# Altium PCB Wireless_Security_Board.PcbDoc (part 1 of 2) (continued)
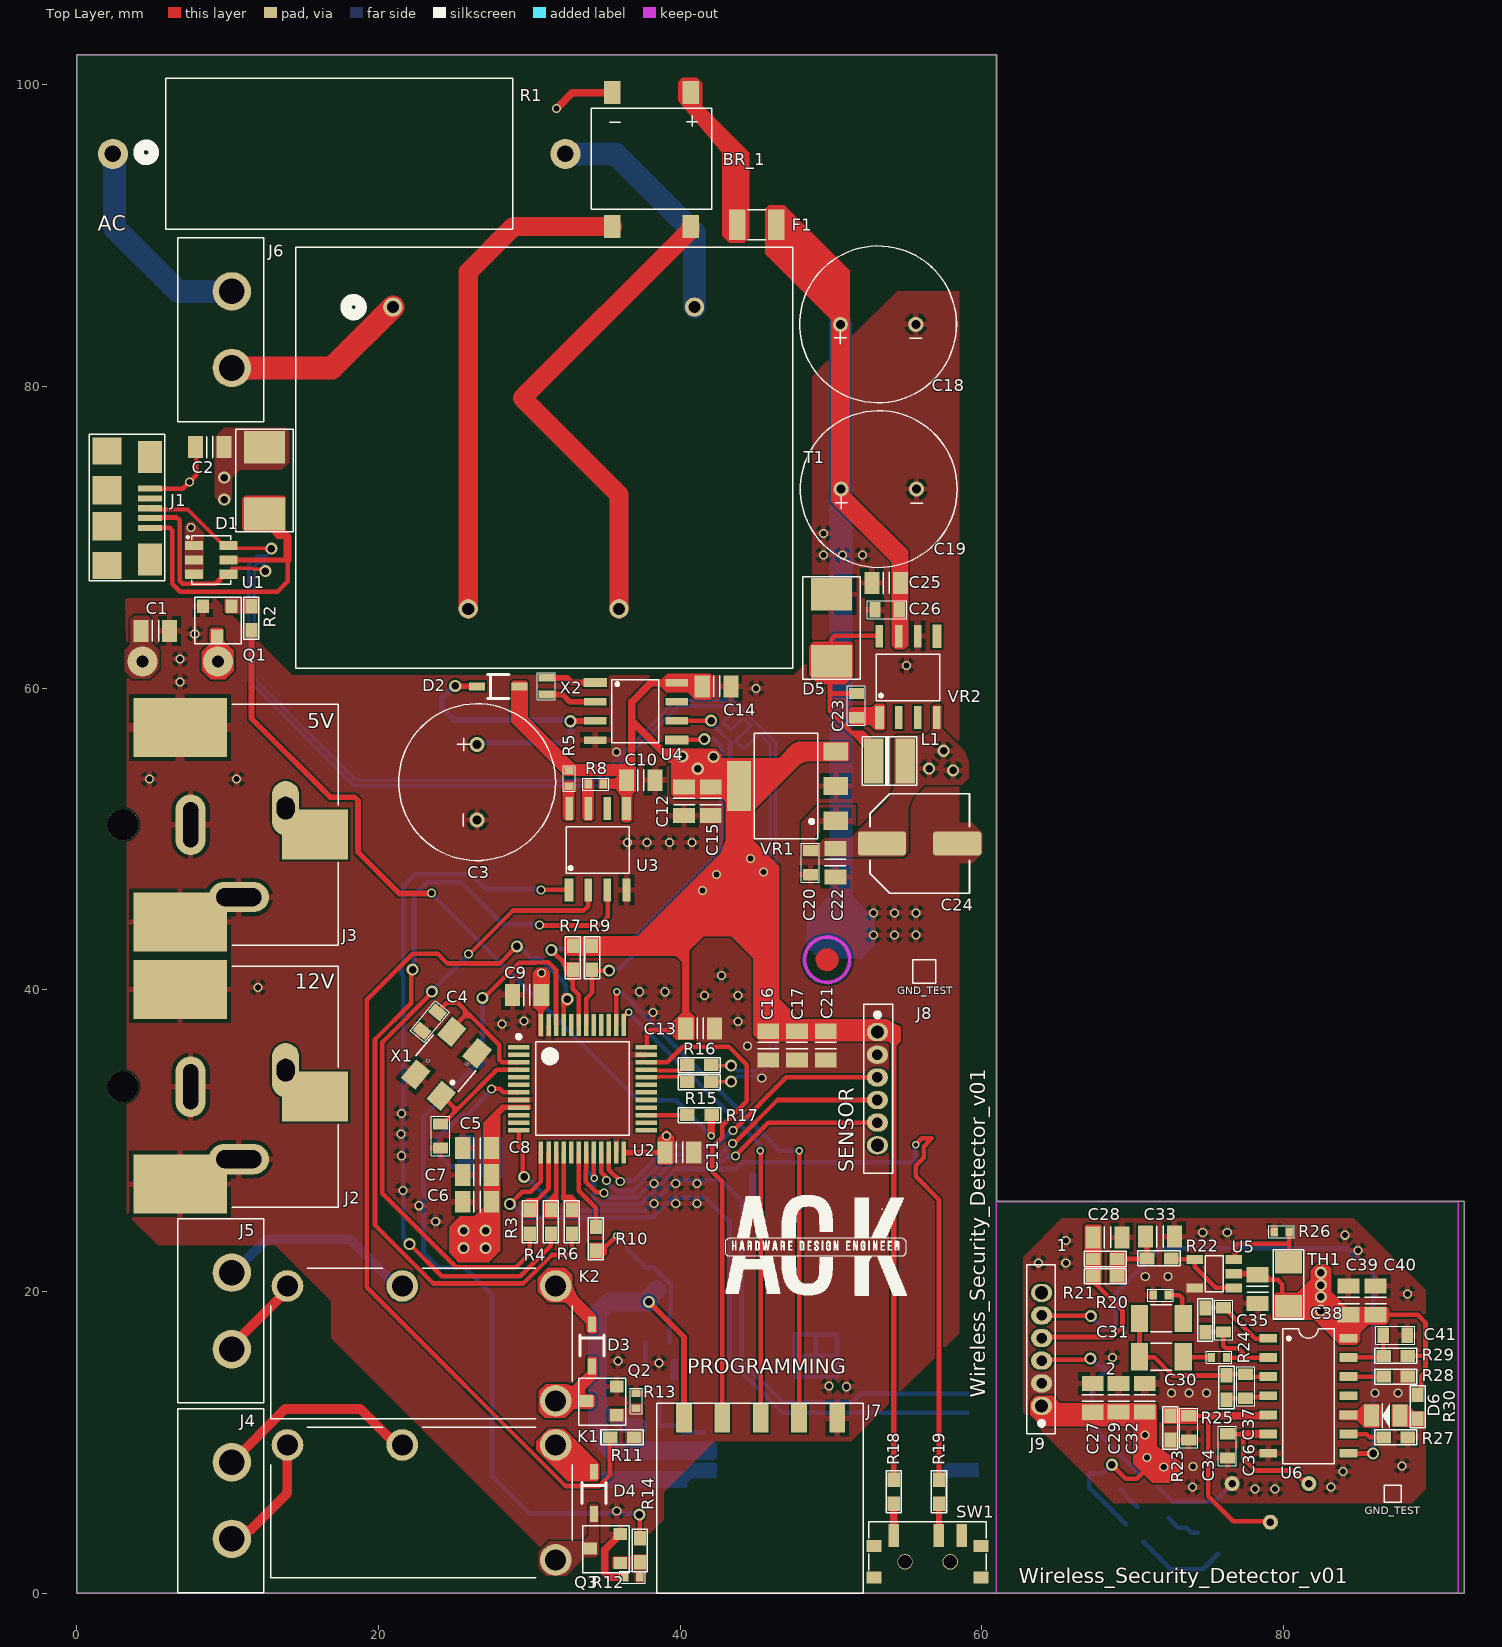
[diagram p0: Top Layer view]
## Components (designator, comment, footprint, x,y, rotation, side; value= is the part's Value field where it differs from the comment) (continued)
C42 "CL21B104KBCNNNC" CAP_0805 39.624,8.499 r270 bottom (schematic designator C17)
C43 "CL21B105KBFNNNE" CAP_0805 37.846,8.499 r270 bottom value=1uF (schematic designator C16)
C44 "CL21A475KAQNNNE" CAP_0805 36.068,8.499 r270 bottom value=4.7uF (schematic designator C15)
C45 "104KBCNNNC" CAP_0805 26.693,28.296 r180 bottom (schematic designator C20)
D1 "1SMB5919BT3G" DO-214AA_SMB 12.446,73.762 r90 top (schematic designator D4)
D2 "1N4148WS" SOD_323_F 27.943,60.122 r0 top (schematic designator D5)
D3 "1N4148WS" SOD_323_F 34.163,16.434 r270 top (schematic designator D1)
D4 "1N4148WS" SOD_323_F 34.29,6.652 r270 top (schematic designator D2)
D5 "1SMB5919BT3G" DO-214AA_SMB 50.038,64.008 r270 top (schematic designator D3)
D6 "0805BBD8100S01" LED_BLUE_0805 86.792,11.773 r180 top
D7 "HSMC-C170" LED_RED_0805 74.994,3.327 r135 bottom
F1 "3413.0216.22" FUSE_1206 45.085,90.729 r0 top
J1 "10118192-0001LF" MICRO_B_USB 3.429,71.933 r270 top (schematic designator J7)
J2 "PJ-037AH-SMT-TR" JACK 9.423,33.579 r0 top (schematic designator J3)
J3 "PJ-037AH-SMT-TR" JACK 9.423,50.951 r0 top (schematic designator J5)
J4 "TBP01R1-508-02BE" 2P_5.08MM_MALE_CONN 10.287,6.147 r270 top (schematic designator J2)
J5 "" 2P_5.08MM_MALE_CONN 10.287,18.72 r270 top (schematic designator J4)
J6 "TBP01R1-508-02BE" 2P_5.08MM_MALE_CONN 10.287,83.775 r270 top (schematic designator J1)
J7 "SMH-105-02-L-S" PINHEADER1X5_RA 45.339,11.608 r0 top (schematic designator J6)
J8 "64800611622" "6 HOLE CONNECTOR" 53.086,33.452 r270 top
J9 "64800611622" "6 HOLE CONNECTOR" 63.97,16.169 r90 top
K1 "K_ALQ312" ALQ3 22.86,6.02 r180 top
K2 "K_ALQ312" ALQ3 22.86,16.561 r180 top
L1 "78438335470" IND_1212 53.882,55.169 r0 top value=47uH
LS1 "CMI-9605-0580T" CMI-9605 6.858,61.773 r270 bottom
Q1 "MMBT3904-7-F" SOT_23_3 9.309,64.44 r180 top (schematic designator Q4)
Q2 "MMBT3904-7-F" SOT_23_3 34.798,12.751 r90 top
Q3 "MMBT3904-7-F" SOT_23_3 35.036,2.969 r90 top (schematic designator Q1)
Q4 "MMBT3904-7-F" SOT_23_3 71.689,5.695 r45 bottom (schematic designator Q5)
Q5 "MMBT3904-7-F" SOT_23_3 38.646,14.326 r0 bottom (schematic designator Q3)
R1 "5WD27" RES_AXIAL_W 17.399,95.428 r0 top value="270 mR"
R2 "RC0603JR-07100RL" RE_0603 11.582,64.643 r90 top value=100R (schematic designator R22)
R3 "RC0603JR-07100RL" RE_0603 30.036,24.638 r270 top value=100R (schematic designator R10)
R4 "RC0603JR-07100RL" RE_0603 31.433,24.638 r270 top value=100R (schematic designator R11)
R5 "RC0402JR-0710KL" RE_0402 32.639,54.018 r90 top value=10kR (schematic designator R20)
R6 "RC0603JR-07100RL" RE_0603 32.83,24.638 r270 top value=100R (schematic designator R12)
R7 "RC0603JR-074K7L" RE_0603 32.893,42.126 r270 top value=4.7kR (schematic designator R6)
R8 "RC0402JR-0710KL" RE_0402 34.409,53.645 r0 top value=10kR (schematic designator R21)
R9 "RC0603JR-074K7L" RE_0603 34.163,42.126 r270 top value=4.7kR (schematic designator R7)
R10 "RC0603JR-07100RL" RE_0603 34.417,23.508 r270 top value=100R (schematic designator R14)
R11 "RC0402FR-071KL" RE_0603 36.157,10.338 r0 top value=1kR (schematic designator R3)
R12 "RC0402JR-0710KL" RE_0402 36.838,1.067 r180 top value=10kR (schematic designator R4)
R13 "RC0402JR-0710KL" RE_0402 37.084,12.751 r90 top value=10kR (schematic designator R5)
R14 "RC0402FR-071KL" RE_0603 37.338,2.842 r270 top value=1kR (schematic designator R2)
R15 "RC0603JR-0715RL" RE_0603 41.262,33.887 r0 top value=15R (schematic designator R8)
R16 "RC0603JR-0715RL" RE_0603 41.262,35.017 r0 top value=15R (schematic designator R9)
R17 "RC0603JR-07100RL" RE_0603 41.288,31.699 r0 top value=100R
R18 "RC0603JR-07100RL" RE_0603 54.166,6.731 r270 top value=100R (schematic designator R19)
R19 "RC0603JR-07100RL" RE_0603 57.163,6.731 r90 top value=100R (schematic designator R18)
R20 "RC0603JR-07220KL" RE_0603 68.186,21.018 r180 top value=220kR (schematic designator R35)
R21 "RC0603JR-07220KL" RE_0603 68.186,22.162 r180 top value=220kR (schematic designator R33)
R22 "RC0402FR-071KL" RE_0603 71.755,22.2 r180 top value=1kR (schematic designator R34)
R23 "RC0603JR-0743KL" RE_0603 72.504,10.96 r90 top value=43kR (schematic designator R31)
R24 "RC0402JR-0710KL" RE_0402 75.73,15.634 r0 top value=10kR (schematic designator R26)
R25 "RC0603JR-07560KL" RE_0603 76.225,13.64 r270 top value=560kR (schematic designator R24)
R26 "RC0402JR-0710KL" RE_0402 79.883,23.965 r180 top value=10kR (schematic designator R36)
R27 "RC0603JR-070RL" RE_0603 87.44,10.338 r0 top value=0mR (schematic designator R29)
R28 "RC0603JR-070RL" RE_0603 87.452,14.364 r0 top value=0mR
R29 "RC0603JR-07220KL" RE_0603 87.452,15.735 r180 top value=220kR (schematic designator R25)
R30 "RC0402FR-071KL" RE_0603 88.9,12.357 r90 top value=1kR (schematic designator R23)
R31 "RC0603JR-07100RL" RE_0603 70.148,3.969 r315 bottom value=100R (schematic designator R32)
R32 "RC0402FR-071KL" RE_0603 69.799,7.429 r225 bottom value=1kR (schematic designator R37)
R33 "RC0603JR-07100RL" RE_0603 38.519,16.624 r180 bottom value=100R (schematic designator R16)
R34 "RC0402FR-071KL" RE_0603 37.884,11.1 r0 bottom value=1kR (schematic designator R13)
R35 "RC0603JR-07100RL" RE_0603 26.543,29.896 r180 bottom value=100R (schematic designator R15)
S1 "LHI 878/3902" "LHI 878/3902" 79.146,7.264 r315 bottom
SW1 "EG1215AA" EG1215AA 56.412,2.433 r0 top
T1 "BV302S12010" BV_302 30.955,75.268 r180 top
TH1 "TFPT1206L1002FM" RE_1206 80.34,20.483 r90 top value=10kR
U1 "USBLC6-2SC6" SOT_23_6L 8.911,68.508 r0 top value=3.5pF
U2 "STM32F103C6T6A" LQGP48-STM 33.528,33.452 r0 top (schematic designator U3)
U3 "MAX6662MSA+" 8_SOIC 34.544,49.327 r90 top (schematic designator U5)
U4 "M41T0M6F" 8_SOIC 37.084,58.471 r0 top
U5 "OPA314AIDBVR" SOT_23_5 75.413,21.184 r180 top (schematic designator U7)
U6 "NCS36000DRG" 14_SOIC 81.655,13.094 r0 top
U7 "ESP32-WROOM-32E-N4" 38_SMD 50.304,17.158 r0 bottom (schematic designator U?)
VR1 "AP7361EA-33E-13" SOT223 47.117,53.518 r90 top (schematic designator VR2)
VR2 "LM2675MX-12/NOPB" 8_SOIC 55.118,60.757 r90 top (schematic designator VR1)
X1 "ECS-160-20-30B-TR" "4-SMD, No Lead" 24.511,35.103 r50 top (schematic designator XTAL1)
X2 "ABS05-32.768KHZ-T" "2-SMD, No Lead" 31.128,60.134 r270 top (schematic designator XTAL2)

## Footprints (in the part's own frame and the unit in brackets; to place one, negate y for a bottom-side part, rotate by r counter-clockwise, add the part's x,y. Pads: shape width x height; smd on the part's side, far side on the other; paste and mask are expansions set on the pad)
"2-SMD, No Lead" [mm]
  rect 0.5x1 smd mask+0.05: 1(-0.55,0) 2(0.55,0)
  silkscreen extent -0.9,-0.6 0.9,0.6, body extent -0.8,-0.5 0.8,0.5, height 0.5
2P_5.08MM_MALE_CONN [mm]
  round 2.55 hole 1.7: 1(-2.54,0) 2(2.54,0)
  silkscreen extent -6.1,-3.6 6.1,2.1, body extent -5.9,-10.1 5.86,1.9, height 8.55
"4-SMD, No Lead" [mm]
  rect 1.6x1.25 smd mask+0.05: 1(-1.85,-1.1) 2(1.85,-1.1) 3(1.85,1.1) 4(-1.85,1.1)
  silkscreen extent -0.91,-1.79 0.9,1.9, body extent -2.5,-1.6 2.5,1.6, height 0.85
"6 HOLE CONNECTOR" [mm] "1.5MM"
  oval 1.2x1.4 hole 0.87 mask+0.05: 1(-3.75,0) 6(3.75,0)
  oval 1.2x1.4 hole 0.7 mask+0.05: 2(-2.25,0) 3(-0.75,0) 4(0.75,0) 5(2.25,0)
  silkscreen extent -5.6,-0.9 5.6,1, body extent -5.25,-1.3 5.25,2.2, height 4.95
8_SOIC [mm]
  rect 1.5x0.5 smd mask+0.05: 1(-2.7,1.905) 2(-2.7,0.635) 3(-2.7,-0.635) 4(-2.7,-1.905) 5(2.7,-1.905) 6(2.7,-0.635) 7(2.7,0.635) 8(2.7,1.905)
  rect 1.55x0.6 smd mask+0.05: 1(-2.7,1.905) 5(2.7,-1.905)
  silkscreen extent -1.6,-2.1 1.5,2.1, body extent -3,-2.45 3,2.45, height 1.74
14_SOIC [mm]
  rect 1.18x0.58 smd mask+0.05: 1(-2.66,3.81) 1(-2.66,3.81) 2(-2.66,2.54) 3(-2.66,1.27) 4(-2.66,0) 5(-2.66,-1.27) 6(-2.66,-2.54) 7(-2.66,-3.81) 8(2.66,-3.81) 9(2.66,-2.54) 10(2.66,-1.27) 11(2.66,0) 12(2.66,1.27) 13(2.66,2.54) 14(2.66,3.81) 14(2.66,3.81)
  silkscreen extent -1.7,-4.5 1.7,4.45, body extent -3.05,-4.52 2.95,4.43, height 1.5
38_SMD [mm]
  rect 1.5x0.9 smd mask+0.05: 1(-8.75,9.005) 1(-8.75,9.005) 2(-8.75,7.735) 3(-8.75,6.465) 4(-8.75,5.195) 5(-8.75,3.925) 6(-8.75,2.655) 7(-8.75,1.385) 8(-8.75,0.115) 9(-8.75,-1.155) 10(-8.75,-2.425) 11(-8.75,-3.695) 12(-8.75,-4.965) 13(-8.75,-6.235) 14(-8.75,-7.505) 25(8.75,-7.505) 25(8.75,-7.505) 26(8.75,-6.235) 27(8.75,-4.965) 28(8.75,-3.695) 29(8.75,-2.425) 30(8.75,-1.155) 31(8.75,0.115) 32(8.75,1.385) 33(8.75,2.655) 34(8.75,3.925) 35(8.75,5.195) 36(8.75,6.465) 37(8.75,7.735) 38(8.75,9.005)
  rect 0.9x1.5 smd mask+0.05: 15(-5.465,-9.005) 15(-5.465,-9.005) 16(-4.195,-9.005) 17(-2.925,-9.005) 18(-1.655,-9.005) 19(-0.385,-9.005) 20(0.885,-9.005) 21(2.155,-9.005) 22(3.425,-9.005) 23(4.695,-9.005) 24(5.965,-9.005)
  rect 0.9x0.9 smd mask+0.05: 39(-2.7,0) 39(-2.7,1.4) 39(-2.7,2.8) 39(-1.3,0) 39(-1.3,1.4) 39(-1.3,2.8) 39(0.1,0) 39(0.1,1.4) 39(0.1,2.8)
  silkscreen extent -9.1,8.8 8.9,16.3, body extent -8.7,-8.94 9.3,16.56, height 3.25
ALQ3 [mm]
  round 2.1 hole 1.4: 1(8.89,-3.81) 2(1.27,-3.81) 3(-8.89,-3.81) 4(-8.89,3.81)
  silkscreen extent -10,-5 10,5, body extent -10.1,-5 9.9,5, height 16.1
BV_302 [mm]
  round 1.28 hole 0.8 mask+0.05: 1(10,-10) 5(-10,-10) 7(-5,10) 9(5,10)
  silkscreen extent -16.5,-13.98 16.45,13.95, body extent -16.4,-13.9 16.4,13.9, height 4
CAP_0603 [mm]
  rect 0.75x1 smd mask+0.05: 1(-0.8,0) 2(0.8,0)
  silkscreen extent -1.3,-0.6 1.3,0.6, body extent -1.05,-0.52 1.05,0.51, height 0.8
CAP_0805 [mm]
  rect 1x1.45 smd mask+0.05: 1(-0.95,0) 2(0.95,0)
  silkscreen extent -0.2,-0.7 0.22,0.71, body extent -1.3,-0.68 1.3,0.68, height 0.9
CAP_1206 [mm]
  rect 1.15x1.8 smd mask+0.05: 1(-1.45,0) 2(1.45,0)
  silkscreen extent -0.7,-0.9 0.7,0.9, body extent -1.97,-0.98 1.97,0.98, height 1.3
CAP_EEVseries [mm] "6.6x6.6"
  rrect25% 3.2x1.6 smd mask+0.05: 1(-2.495,0) 2(2.495,0)
  silkscreen extent -3.3,-3.3 3.3,3.3, body extent -3.9,-3.41 3.9,3.4, height 8.05
CAP_RADIAL_D10_P5 [mm]
  round 1 hole 0.6 mask+0.05: 1(-2.5,0) 2(2.5,0)
  silkscreen extent -5.2,-5.2 5.2,5.2, body extent -5.05,-5.03 4.95,4.97, height 20.2
CMI-9605 [mm]
  round 2 hole 0.8 mask+0.05: 1(0,2.5) 2(0,-2.5)
  silkscreen extent -5,-5 5,5, body extent -4.82,-4.81 4.78,6.2, height 5.16
DB_S_SMD_4 [mm]
  rect 1.1x1.52 smd mask+0.05: 1(-2.6,-4.44) 2(2.6,-4.44) 3(2.6,4.44) 4(-2.6,4.44)
  silkscreen extent -4,-3.3 4,3.4, body extent -4.07,-4.89 4.08,5.01, height 2.7
DO-214AA_SMB [mm]
  rect 2.159x2.743 smd mask+0.05: 1(2.21,0) 2(-2.21,0)
  silkscreen extent -3.4,-1.9 3.4,1.9, body extent -2.7,-1.8 2.7,1.8, height 2.3
EG1215AA [mm]
  rect 0.7x1.5 smd mask+0.05: 1(-2.25,1.4) 2(0.75,1.4) 3(2.25,1.4)
  rect 1x0.8 smd mask+0.05: ""(-3.55,-1.4) ""(-3.55,0.7) ""(3.55,-1.4) ""(3.55,0.7)
  round 1.016 hole 0.9 mask+0.05: ""(-1.5,-0.35) ""(1.5,-0.35)
  silkscreen extent -3.9,-0.9 3.9,2.3, body extent -3.85,-3 3.85,1.9, height 1.5
FUSE_1206 [mm]
  rect 1.1x2 smd mask+0.05: 1(-1.3,0) 2(1.3,0)
  silkscreen extent -0.6,-1 0.6,1, body extent -1.55,-0.77 1.55,0.77, height 0.61
IND_1212 [mm]
  rect 1.3x3 smd mask+0.05: 1(-1.05,0) 2(1.05,0)
  silkscreen extent -1.8,-1.6 1.8,1.6, body extent -1.5,-1.5 1.5,1.5, height 1.5
JACK [mm]
  oval 1.8x3.6 hole 1.2 slot 1.5 at 90 deg: 1(4.425,1.1)
  rect 4.4x3.3 smd: 1(6.375,-0.65)
  rect 6.2x3.9 smd: 2(-2.575,6.45) 3(-2.575,-6.45)
  oval 2x4 hole 1 slot 3 at 90 deg: 2(-1.875,0)
  oval 4x2 hole 1.2 slot 3 at 0 deg: 3(1.325,-4.8)
  round 2.1 hole 2.1 unplated: ""(-6.375,0)
  silkscreen extent 0.9,-8 7.9,8, body extent -9.57,-7.63 7.52,7.57, height 11.1
LED_BLUE_0805 [mm]
  rect 1x1.45 smd mask+0.05: 1(-0.95,0) 2(0.95,0)
  silkscreen extent -0.25,-0.8 0.25,0.8, body extent -1,-0.63 1,0.63, height 0.78
LED_RED_0805 [mm]
  rect 1x1.45 smd mask+0.05: 1(-0.95,0) 2(0.95,0)
  silkscreen extent -0.25,-0.8 0.25,0.8, body extent -1.01,-0.62 1.01,0.62, height 0.8
"LHI 878/3902" [mm]
  round 1 hole 0.5 mask+0.05: 1(1.8,-1.8) 2(1.796,1.818) 3(-1.8,1.8)
  silkscreen extent -4.74,-5.3 4.74,4.74, body extent -4.6,-5.03 4.6,4.6, height 4.6
LQGP48-STM [mm] "TSQFP, 48-Leads, Body 7,00x7,00mm, Pitch 0,50mm, IPC Medium Density"
  rect 1.45x0.3 smd mask+0.055: 1(-4.225,2.75) 2(-4.225,2.25) 3(-4.225,1.75) 4(-4.225,1.25) 5(-4.225,0.75) 6(-4.225,0.25) 7(-4.225,-0.25) 8(-4.225,-0.75) 9(-4.225,-1.25) 10(-4.225,-1.75) 11(-4.225,-2.25) 12(-4.225,-2.75) 25(4.225,-2.75) 26(4.225,-2.25) 27(4.225,-1.75) 28(4.225,-1.25) 29(4.225,-0.75) 30(4.225,-0.25) 31(4.225,0.25) 32(4.225,0.75) 33(4.225,1.25) 34(4.225,1.75) 35(4.225,2.25) 36(4.225,2.75)
  rect 0.3x1.45 smd mask+0.055: 13(-2.75,-4.225) 14(-2.25,-4.225) 15(-1.75,-4.225) 16(-1.25,-4.225) 17(-0.75,-4.225) 18(-0.25,-4.225) 19(0.25,-4.225) 20(0.75,-4.225) 21(1.25,-4.225) 22(1.75,-4.225) 23(2.25,-4.225) 24(2.75,-4.225) 37(2.75,4.225) 38(2.25,4.225) 39(1.75,4.225) 40(1.25,4.225) 41(0.75,4.225) 42(0.25,4.225) 43(-0.25,4.225) 44(-0.75,4.225) 45(-1.25,4.225) 46(-1.75,4.225) 47(-2.25,4.225) 48(-2.75,4.225)
  silkscreen extent -4.35,-3.1 3.1,3.57, body extent -4.5,-4.5 4.5,4.5, height 1.6
MICRO_B_USB [mm]
  rect 0.4x1.6 smd mask+0.05: 1(1.3,1.425) 2(0.65,1.425) 3(0,1.425) 4(-0.65,1.425) 5(-1.3,1.425)
  rect 1.8x1.9 smd mask+0.05: ""(-3.8,-1.425) ""(3.8,-1.425)
  rect 2.1x1.6 smd mask+0.05: ""(-3.4,1.425) ""(3.4,1.425)
  rect 1.9x1.9 smd mask+0.05: ""(-1.2,-1.425) ""(1.2,-1.425)
  silkscreen extent -4.9,-2.6 4.8,2.4, body extent -3.96,-3.57 3.96,2.09, height 2.51
PINHEADER1X5_RA [mm]
  rect 1.04x1.91 smd mask+0: 1(-5.08,0) 2(-2.54,0) 3(0,0) 4(2.54,0) 5(5.08,0)
  silkscreen extent -6.9,-11.6 6.8,1, body extent -6.6,-11.4 6.6,0.54, height 2.21
RE_0402 [mm]
  rect 0.5x0.6 smd mask+0.05: 1(-0.5,0) 2(0.5,0)
  silkscreen extent -0.85,-0.4 0.85,0.4, body extent -0.5,-0.25 0.5,0.25, height 0.4
RE_0603 [mm]
  rect 0.965x0.8 smd mask+0.05: 1(-0.8,0) 2(0.8,0)
  silkscreen extent -1.4,-0.5 1.4,0.5, body extent -0.99,-0.5 0.99,0.48, height 0.45
RE_1206 [mm]
  rect 1.5x1.8 smd mask+0.05: 1(-1.45,0) 2(1.45,0)
  silkscreen extent -2.3,-1 2.3,1, body extent -1.93,-0.94 2.03,0.94, height 0.55
RES_AXIAL_W [mm]
  round 2 hole 1.1 mask+0.05: 1(-15,0) 2(15,0)
  silkscreen extent -13.3,-5 11.5,5, body extent -15.4,-4.82 15.4,4.83, height 9.65
SOD_323_F [mm]
  rect 1.05x0.55 smd mask+0.05: 1(-1.4,0) 2(1.4,0)
  silkscreen extent -0.7,-0.8 0.7,0.8, body extent -1.35,-0.68 1.35,0.67, height 0.79
SOT223 [mm]
  rect 1.2x1.6 smd mask+0.05: 1(-2.3,-3.2) 1(-2.3,-3.2) 2(0,-3.2) 3(2.3,-3.2)
  rect 3.3x1.6 smd mask+0.05: 3(0,3.2)
  silkscreen extent -3.5,-2 3.5,2.2, body extent -3.25,-3.5 3.25,3.5, height 1.8
SOT_23_3 [mm]
  rect 0.8x0.9 smd mask+0.05: 1(-0.95,-1) 2(0,1) 3(0.95,-1)
  silkscreen extent -1.6,-1.6 1.5,1.5, body extent -1.46,-1.25 1.46,1.23, height 0.95
SOT_23_5 [mm]
  rect 1.1x0.6 smd mask+0.05: 1(-1.3,0.95) 2(-1.3,0) 3(-1.3,-0.95) 4(1.3,-0.95) 5(1.3,0.95)
  silkscreen extent -0.6,-1.2 0.6,1.2, body extent -1.2,-1.45 1.2,1.45, height 1
SOT_23_6L [mm]
  rect 1.2x0.6 smd mask+0.05: 1(-1.15,0.95) 2(-1.15,0) 3(-1.15,-0.95) 4(1.15,-0.95) 5(1.15,0) 6(1.15,0.95)
  silkscreen extent -1.62,-1.6 1.3,1.6, body extent -1.2,-1.45 1.2,1.45, height 1

## Part data
1 R5 R8 R12 R13 R24 R26: library part "RES 10K 0402", "SMD Chip Resistor, 10 kOhm, ± 5%, 63 mW, 0402 [1005 Metric], Thick Film, General Purpose", Case Code (Metric)=1005, Case Code (Imperial)=0402, Manufacturer=Yageo, Max Operating Temperature=155°C, Max Power Dissipation=63mW, Min Operating Temperature=-55°C, Package Quantity=1, Power Rating=62.5mW, Resistance Tolerance=5%, Resistor Type="Thick Film", Supplier Part Number=311-10KJRCT-ND, Temperature Coefficient=100ppm/°C, Voltage Rating=50V, Case/Package=0402, Category="Chip SMD Resistors", ComponentLink1Description=https://datasheet.ciiva.com/2452/pyu-r-int-thick-7-2452627.pdf?src-supplier=Digi-Key, ComponentLink1URL=https://datasheet.ciiva.com/2452/pyu-r-int-thick-7-2452627.pdf?src-supplier=Digi-Key, ComponentLink2Description=https://datasheet.ciiva.com/2452/pyu-r-int-thick-7-2452628.pdf?src-supplier=Digi-Key, ComponentLink2URL=https://datasheet.ciiva.com/2452/pyu-r-int-thick-7-2452628.pdf?src-supplier=Digi-Key, ComponentLink3Description=https://datasheet.ciiva.com/2452/pyu-r-int-thick-7-2452626.pdf?src-supplier=Digi-Key, ComponentLink3URL=https://datasheet.ciiva.com/2452/pyu-r-int-thick-7-2452626.pdf?src-supplier=Digi-Key, ComponentLink4Description=https://datasheet.ciiva.com/12669/pyu-rc0402-51-rohs-l-6-r-12669687.pdf?src-supplier=Mouser, ComponentLink4URL=https://datasheet.ciiva.com/12669/pyu-rc0402-51-rohs-l-6-r-12669687.pdf?src-supplier=Mouser, ComponentLink5Description=https://datasheet.ciiva.com/7850/1018594-7850136.pdf?src-supplier=Element14, ComponentLink5URL=https://datasheet.ciiva.com/7850/1018594-7850136.pdf?src-supplier=Element14, ComponentLink6Description=https://datasheet.ciiva.com/7850/1018594-7850137.pdf?src-supplier=Element14, ComponentLink6URL=https://datasheet.ciiva.com/7850/1018594-7850137.pdf?src-supplier=Element14, Construction=Rectangular, Depth=0.5mm, Designed By="Ahmet Can", Features="Moisture Resistant", Height=0.016inch, Lead Free="Lead Free", Length=0.039inch, Manufacturer Part Number=RC0402JR-0710KL, Military Standard=Not, Number of Terminations=2, Packaging="Tape and Reel", Pricing="1=0,1, 10=0,018, 50=0,0098, 100=0,0079, 500=0,00502, 1000=0,00422, 5000=0,00292 (USD)", Reach SVHC Compliant=Unknown, RoHS=Yes, RoHS Compliant=Yes, Series=RC, Stock=36586137, Supplier=Digi-Key, Termination=SMD/SMT, Tolerance=5%, Voltage Rating (AC)=50V, Width=0.02inch
2 R25: library part "RES 560K 0603", "SMD Chip Resistor, 560 kOhm, ± 5%, 100 mW, 0603 [1608 Metric], Thick Film, General Purpose", Case Code (Metric)=1608, Case Code (Imperial)=0603, Manufacturer=Yageo, Max Operating Temperature=155°C, Max Power Dissipation=100mW, Min Operating Temperature=-55°C, Package Quantity=1, Resistance Tolerance=5%, Resistor Type="Thick Film", Supplier Part Number=311-560KGRCT-ND, Temperature Coefficient=100ppm/°C, Voltage Rating=75V, Voltage Rating (AC)=50V, Case/Package=0603, Category="Chip SMD Resistors", ComponentLink1Description=https://datasheet.ciiva.com/2453/pyu-r-int-thick-7-2453056.pdf?src-supplier=Digi-Key, ComponentLink1URL=https://datasheet.ciiva.com/2453/pyu-r-int-thick-7-2453056.pdf?src-supplier=Digi-Key, ComponentLink2Description=https://datasheet.ciiva.com/2453/pyu-r-int-thick-7-2453057.pdf?src-supplier=Digi-Key, ComponentLink2URL=https://datasheet.ciiva.com/2453/pyu-r-int-thick-7-2453057.pdf?src-supplier=Digi-Key, ComponentLink3Description=https://datasheet.ciiva.com/2453/pyu-r-int-thick-7-2453055.pdf?src-supplier=Digi-Key, ComponentLink3URL=https://datasheet.ciiva.com/2453/pyu-r-int-thick-7-2453055.pdf?src-supplier=Digi-Key, Designed By="Ahmet Can", Features="Moisture Resistant", Height=0.022inch, Lead Free="Lead Free", Length=0.063inch, Manufacturer Part Number=RC0603JR-07560KL, Number of Terminations=2, Packaging="Tape and Reel", Pins=2, Power Rating=100mW, Pricing="1=0,1, 10=0,014, 50=0,0088, 100=0,0073, 500=0,00486, 1000=0,00415 (USD)", Reach SVHC Compliant=Unknown, RoHS=Yes, RoHS Compliant=Yes, Series=RC, Stock=501281, Supplier=Digi-Key, Technology="THICK FILM", Termination=SMD/SMT, Tolerance=5%, Voltage Rating (DC)=50V, Weight=7.1E-05oz, Width=0.8mm, Working Voltage=75V
BR_1: library part BR_DB105S, "Rectifier Bridge Diode Single 600V 1A 4-Pin SMD", Manufacturer="SMC Diode Solutions", Supplier Part Number=1655-DB105STR-ND, Category="Discrete Semiconductors", ComponentLink1Description=https://datasheet.ciiva.com/1174/1441678-1174528.pdf?src-supplier=Element14, ComponentLink1URL=https://datasheet.ciiva.com/1174/1441678-1174528.pdf?src-supplier=Element14, ComponentLink2Description=https://datasheet.ciiva.com/1235/1498392-1235776.pdf?src-supplier=Newark, ComponentLink2URL=https://datasheet.ciiva.com/1235/1498392-1235776.pdf?src-supplier=Newark, ComponentLink3Description=https://datasheet.ciiva.com/1235/90r8586-1235777.pdf?src-supplier=Newark, ComponentLink3URL=https://datasheet.ciiva.com/1235/90r8586-1235777.pdf?src-supplier=Newark, Manufacturer Part Number=DB105S, Pricing="5=0,557, 10=0,446, 100=0,318, 500=0,222, 1000=0,159, 5000=0,139 (EUR)", RoHS=Yes, Stock=7403, Supplier=Digi-Key
C1 C8 C9 C10 C11 C13 C14 C38 C39 C42: library part "CAP CER 100nF 0805", "Multilayer Ceramic Capacitor, 0.1 uF, 50 V, ± 10%, X7R, 0805 [2012 Metric]", Capacitance=100nF, Case Code (Metric)=2012, Case Code (Imperial)=0805, Dielectric=X7R, Manufacturer=Samsung, Max Operating Temperature=125°C, Min Operating Temperature=-55°C, Supplier Part Number=1276-1003-1-ND, Tolerance=10%, Voltage=50V, Case/Package=0805, Category="Ceramic Capacitors", ComponentLink1Description=https://datasheet.ciiva.com/25710/cl21b104kbcnnnc-25710182.pdf?src-supplier=Digi-Key, ComponentLink1URL=https://datasheet.ciiva.com/25710/cl21b104kbcnnnc-25710182.pdf?src-supplier=Digi-Key, ComponentLink2Description=https://datasheet.ciiva.com/29199/454152-da-01-en-vs-kondensator-0805-29199814.pdf?src-supplier=Conrad, ComponentLink2URL=https://datasheet.ciiva.com/29199/454152-da-01-en-vs-kondensator-0805-29199814.pdf?src-supplier=Conrad, Construction=Flat, Depth=1.25mm, Height=0.85mm, Lead Free="Lead Free", Length=2mm, Manufacturer Part Number=CL21B104KBCNNNC, Material=Ceramic, Mounting Technology="Surface Mount", Packaging="Tape and Reel", Pricing="1=0,1, 10=0,044, 50=0,024, 100=0,0196, 500=0,01404, 1000=0,01103 (USD)", Radiation Hardening=No, RoHS=Yes, RoHS Compliant=Yes, Series=CL, Stock=1461740, Supplier=Digi-Key, Thickness=0.037inch, Voltage Rating=50V, Voltage Rating (DC)=50V, Width=0.049inch
  C1 C10 C14: Designed By="Ahmet Can"
C2 C6 C15 C16 C17 C29 C32 C33 C44: library part "CAP CER 4.7uF 0805", "Multilayer Ceramic Capacitor, 4.7 uF, 25 V, ± 10%, X5R, 0805 [2012 Metric]", Case Code (Metric)=2012, Case Code (Imperial)=0805, Dielectric=X5R, Manufacturer=Samsung, Max Operating Temperature=85°C, Min Operating Temperature=-55°C, Supplier Part Number=1276-1244-1-ND, Tolerance=10%, Voltage Rating=25V, Case/Package=0805, Category="Ceramic Capacitors", ComponentLink1Description=https://datasheet.ciiva.com/25798/cl21a475kaqnnne-25798882.pdf?src-supplier=Digi-Key, ComponentLink1URL=https://datasheet.ciiva.com/25798/cl21a475kaqnnne-25798882.pdf?src-supplier=Digi-Key, Construction=Flat, Depth=1.25mm, Designed By="Ahmet Can", Height=1.25mm, Lead Free="Lead Free", Length=2mm, Manufacturer Part Number=CL21A475KAQNNNE, Material=4241ConductorMaterial, Mounting Technology="Surface Mount", Packaging="Tape and Reel", Pricing="1=0,1, 10=0,073, 50=0,0414, 100=0,0344, 500=0,02408, 1000=0,01994 (USD)", Radiation Hardening=No, RoHS=Yes, RoHS Compliant=Yes, Series=CL, Stock=3906800, Supplier=Digi-Key, Voltage Rating (DC)=25V
C3 C18 C19: library part "CAP ALU ELEC 470uF", "Cap, 470UF, 50V, Alu Elec, Radial, Through Hole", Case/Package="TH, Radial, Can", Lifetime @ Temp.="2000 Hrs @ 105°C", Manufacturer=KEMET, Max Operating Temperature=105°C, Min Operating Temperature=-40°C, Ripple Current @ High Frequency="945 mA @ 10 kHz", Ripple Current @ Low Frequency="630 mA @ 120 Hz", Supplier Part Number=399-15683-ND, Tolerance=±20%, Voltage Rating=50V, Category="Aluminum Electrolytic Capacitors", ComponentLink1Description=https://api.kemet.com/component-edge/download/datasheet/ESH477M050AH4AA.pdf?src-supplier=Digi-Key, ComponentLink1URL=https://api.kemet.com/component-edge/download/datasheet/ESH477M050AH4AA.pdf?src-supplier=Digi-Key, ComponentLink2Description=https://datasheet.octopart.com/ESH477M050AH4AA-KEMET-datasheet-130075338.pdf?src-supplier=Newark, ComponentLink2URL=https://datasheet.octopart.com/ESH477M050AH4AA-KEMET-datasheet-130075338.pdf?src-supplier=Newark, Designed By="Ahmet Can", Manufacturer Part Number=ESH477M050AH4AA, Mounting Type="Through Hole", Polarization=Polar, Pricing="1=0,64, 10=0,455, 50=0,344, 100=0,2997, 500=0,222, 1000=0,1887, 2500=0,1776, 5000=0,1665 (USD)", RoHS=Yes, Stock=6383, Supplier=Digi-Key
C4: library part "CAP CER 20pF 0603", "CAP CER 20PF 50V C0G/NP0 0603", Case/Package=0603, Dielectric="C0G, NP0", Manufacturer=Samsung, Max Operating Temperature=125°C, Min Operating Temperature=-55°C, Supplier Part Number=1276-1187-1-ND, Tolerance=±5%, Voltage Rating=50V, Category="Ceramic Capacitors", ComponentLink1Description=https://datasheet.ciiva.com/26877/getdatasheetpartid-640634-26877974.pdf?src-supplier=Verical, ComponentLink1URL=https://datasheet.ciiva.com/26877/getdatasheetpartid-640634-26877974.pdf?src-supplier=Verical, ComponentLink2Description=https://datasheet.ciiva.com/26310/mlcc-catalogdownload2013-eng-26310315.pdf?src-supplier=Distrelec, ComponentLink2URL=https://datasheet.ciiva.com/26310/mlcc-catalogdownload2013-eng-26310315.pdf?src-supplier=Distrelec, Designed By="Ahmet Can", Manufacturer Part Number=CL10C200JB8NNNC, Mounting Type="Surface Mount", Pricing="1=0,1, 10=0,044, 50=0,0238, 100=0,0194, 500=0,01386, 1000=0,01089 (USD)", RoHS=Yes, Stock=415846, Supplier=Digi-Key
C5: library part "CAP CER 20pF 0603", "CAP CER 20PF 50V C0G/NP0 0603", Case/Package=0603, Dielectric="C0G, NP0", Manufacturer=Samsung, Manufacturer Part Number=CL10C200JB8NNNC, Max Operating Temperature=125°C, Min Operating Temperature=-55°C, Supplier Part Number=1276-1187-1-ND, Tolerance=±5%, Voltage Rating=50V, Category="Ceramic Capacitors", ComponentLink1Description=https://datasheet.ciiva.com/26877/getdatasheetpartid-640634-26877974.pdf?src-supplier=Verical, ComponentLink1URL=https://datasheet.ciiva.com/26877/getdatasheetpartid-640634-26877974.pdf?src-supplier=Verical, ComponentLink2Description=https://datasheet.ciiva.com/26310/mlcc-catalogdownload2013-eng-26310315.pdf?src-supplier=Distrelec, ComponentLink2URL=https://datasheet.ciiva.com/26310/mlcc-catalogdownload2013-eng-26310315.pdf?src-supplier=Distrelec, Designed By="Ahmet Can", Mounting Type="Surface Mount", Pricing="1=0,1, 10=0,044, 50=0,0238, 100=0,0194, 500=0,01386, 1000=0,01089 (USD)", RoHS=Yes, Stock=415846, Supplier=Digi-Key
C7 C12 C21 C22 C25 C27 C28 C40 C43: library part "CAP CER 1uF 0805", "CAP CER %10 1uF 0805", Case Code (Metric)=2012, Case Code (Imperial)=0805, Dielectric=X7R, Manufacturer=Samsung, Max Operating Temperature=125°C, Min Operating Temperature=-55°C, Package Quantity=1, Supplier Part Number=1276-1029-1-ND, Tolerance=10%, Voltage=50V, Case/Package=0805, Category="Ceramic Capacitors", ComponentLink1Description=https://datasheet.ciiva.com/25800/cl21b105kbfnnne-25800291.pdf?src-supplier=Digi-Key, ComponentLink1URL=https://datasheet.ciiva.com/25800/cl21b105kbfnnne-25800291.pdf?src-supplier=Digi-Key, ComponentLink2Description=https://datasheet.ciiva.com/16449/cl21b105kbfnnne-16449003.pdf?src-supplier=Future+Electronics, ComponentLink2URL=https://datasheet.ciiva.com/16449/cl21b105kbfnnne-16449003.pdf?src-supplier=Future+Electronics, Construction=Flat, Depth=1.25mm, Height=1.25mm, Length=2mm, Manufacturer Part Number=CL21B105KBFNNNE, Material=4241ConductorMaterial, Mounting Technology="Surface Mount", Packaging="Tape and Reel", Pricing="1=0,11, 10=0,079, 50=0,045, 100=0,0373, 500=0,02616, 1000=0,02165 (USD)", Radiation Hardening=No, RoHS=Yes, RoHS Compliant=Yes, Series=CL, Stock=212507, Supplier=Digi-Key, Thickness=0.053inch, Voltage Rating=50V, Voltage Rating (DC)=50V, Width=0.049inch
  C12 C21 C22 C25 C27 C40: Designed By="Ahmet Can"
C20 C26: library part "CAP CER 100nF 0603", "Multilayer Ceramic Capacitor, 100 uF, 6.3 V, ± 20%, X5R, 1206 [3216 Metric]", Case Code (Metric)=3216, Case Code (Imperial)=1206, Dielectric=X5R, Dielectric Material=Ceramic, Manufacturer=KEMET, Manufacturer Part Number=C1206C107M9PACTU, Max Operating Temperature=85°C, Min Operating Temperature=-55°C, Package Quantity=1, Supplier Part Number=399-C1206C107M9PAC7800CT-ND, Tolerance=2%, Voltage=6.3V, Case/Package=1206, Category="Ceramic Capacitors", ComponentLink1Description=https://datasheet.ciiva.com/6161/1732717-6161699.pdf?src-supplier=Farnell, ComponentLink1URL=https://datasheet.ciiva.com/6161/1732717-6161699.pdf?src-supplier=Farnell, ComponentLink2Description=https://datasheet.ciiva.com/7729/1732717-7729831.pdf?src-supplier=Element14, ComponentLink2URL=https://datasheet.ciiva.com/7729/1732717-7729831.pdf?src-supplier=Element14, ComponentLink3Description=https://datasheet.ciiva.com/7729/1732717-7729830.pdf?src-supplier=Element14, ComponentLink3URL=https://datasheet.ciiva.com/7729/1732717-7729830.pdf?src-supplier=Element14, ComponentLink4Description=https://datasheet.ciiva.com/6114/40889-6114911.pdf?src-supplier=Farnell, ComponentLink4URL=https://datasheet.ciiva.com/6114/40889-6114911.pdf?src-supplier=Farnell, ComponentLink5Description=https://datasheet.ciiva.com/22749/1918694-22749624.pdf?src-supplier=Element14, ComponentLink5URL=https://datasheet.ciiva.com/22749/1918694-22749624.pdf?src-supplier=Element14, ComponentLink6Description=https://datasheet.ciiva.com/14589/70095383-14589256.pdf?src-supplier=Allied+Electronics, ComponentLink6URL=https://datasheet.ciiva.com/14589/70095383-14589256.pdf?src-supplier=Allied+Electronics, ComponentLink7Description=https://datasheet.ciiva.com/14592/70095383-14592223.pdf?src-supplier=Allied+Electronics, ComponentLink7URL=https://datasheet.ciiva.com/14592/70095383-14592223.pdf?src-supplier=Allied+Electronics, Construction=Flat, Depth=1.6mm, Designed By="Ahmet Can", Dissipation Factor=5%, Height=1.6mm, Lead Free="Lead Free", Length=3.2mm, Material=4241ConductorMaterial, Mounting Technology="Surface Mount,PCB", Packaging="Tape and Reel", Pins=2, Pricing="1=1,05, 10=0,832, 50=0,7208, 100=0,6238, 500=0,47132, 1000=0,41587 (USD)", Radiation Hardening=No, Reach SVHC Compliant=No, RoHS=Yes, RoHS Compliant=Yes, Series=C, Stock=49568, Supplier=Digi-Key, Termination=SMD/SMT, Thickness=0.071inch, Voltage Rating=6.3V, Voltage Rating (DC)=6.3V, Width=0.063inch